# KiCad board EPS.kicad_pcb (continued)
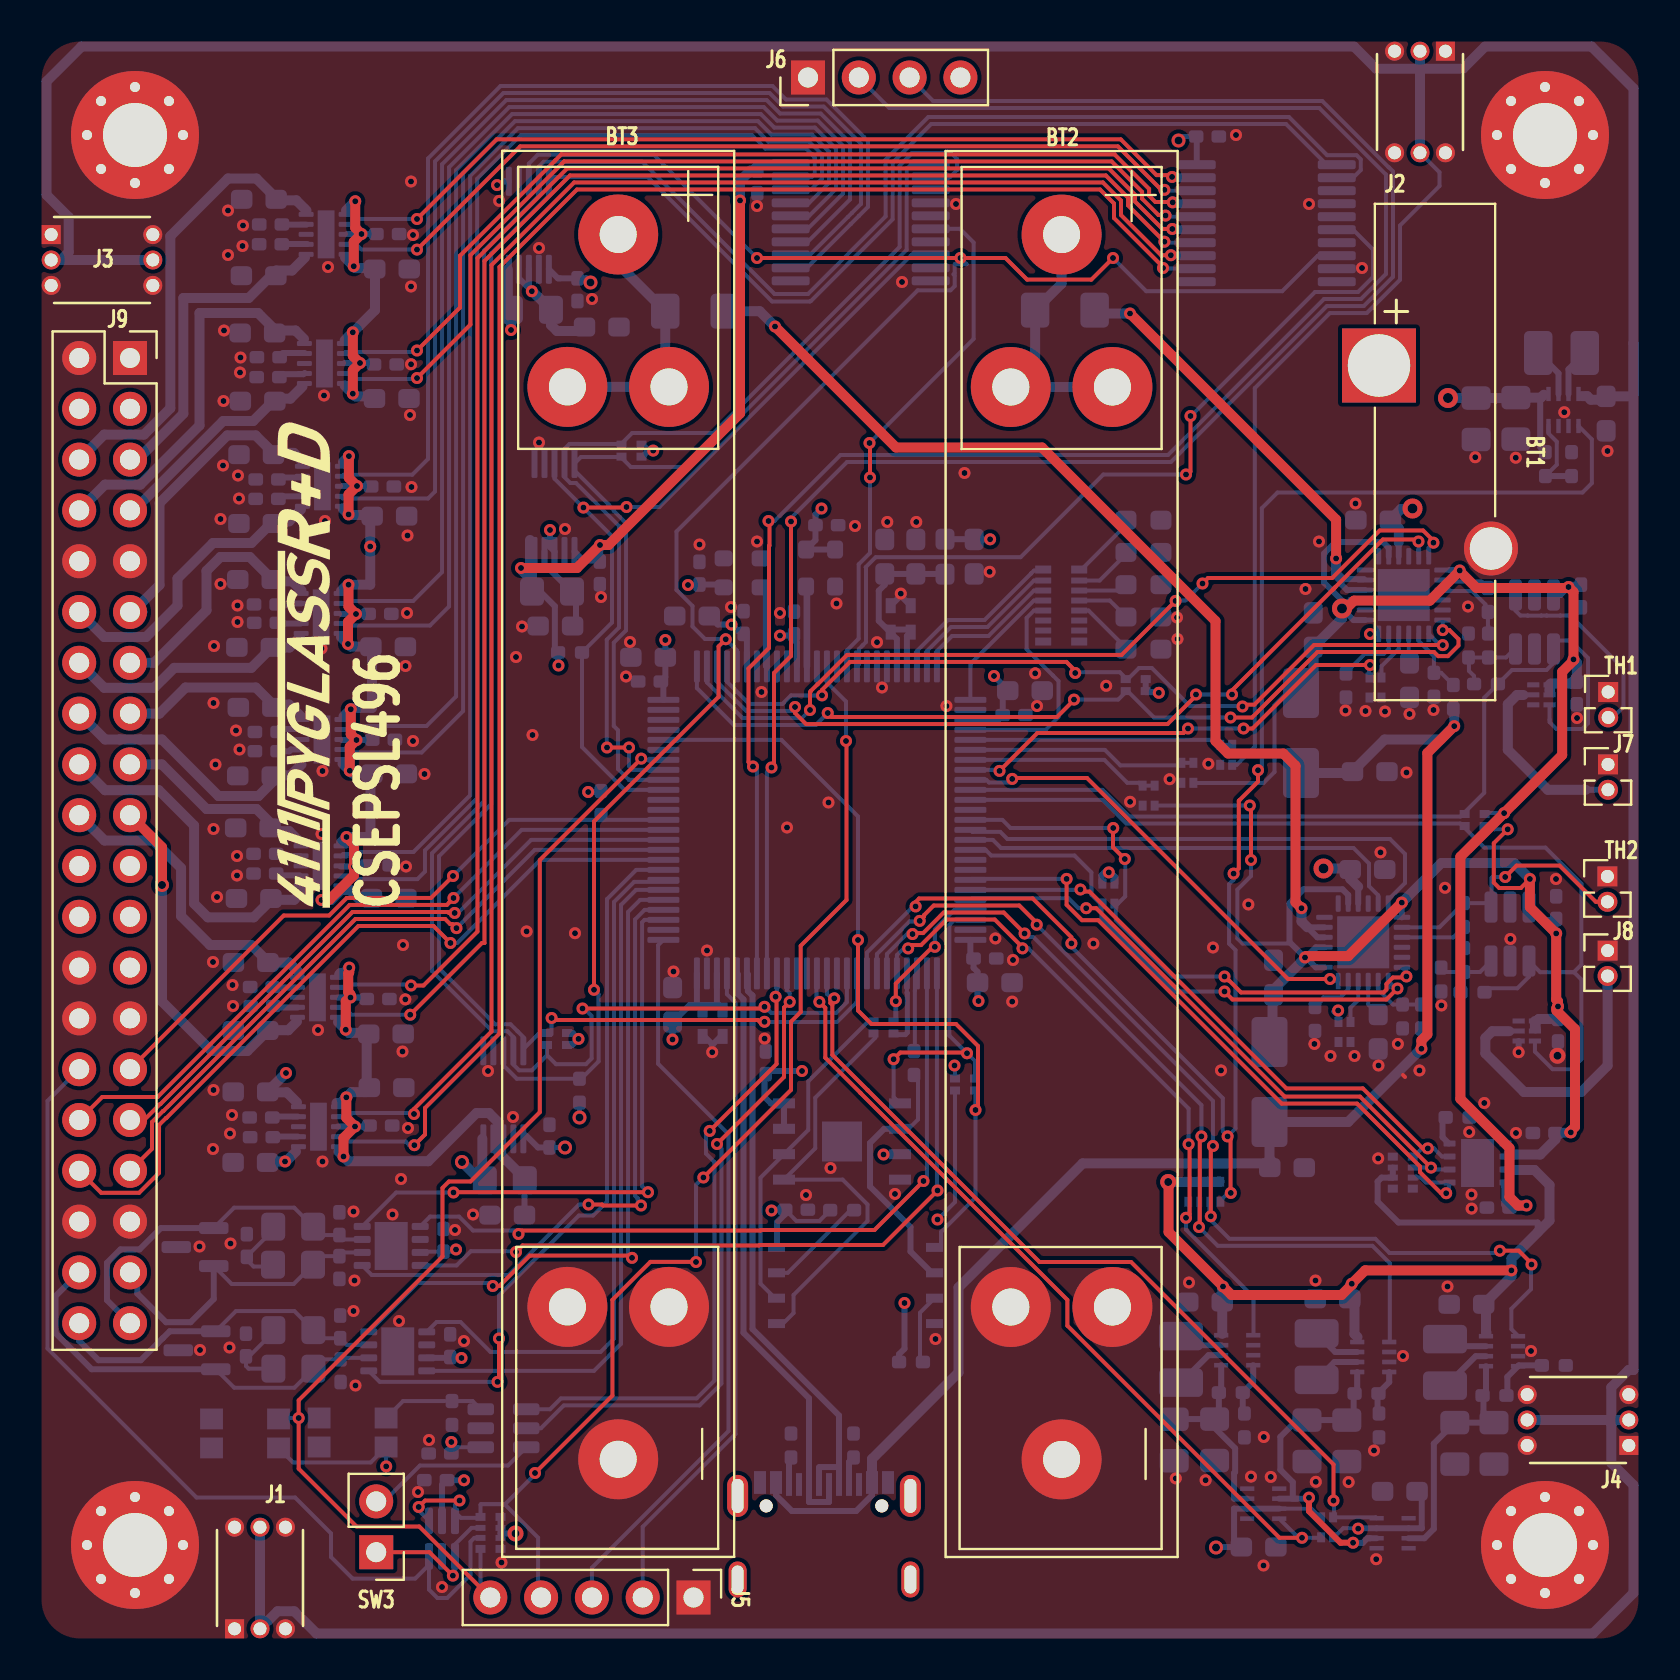
[diagram p0: board, top side]
## Routing (per net, layer and track width the routed paths; a pad name or vN(x,y) marks a point on that pad's centre or on a via; arc(x,y) is an arc through that point) (continued)
/CAN1_L: length 20.2
  Bottom w0.2: U8.6 15.11,14.11 ; R9.2 12.72,12.61 9.71,12.61 D7.2 ; C38.2 14.14,14.03
  Bottom w0.3: D7.2 2.58,13.54 0.78,15.34 0.78,17.2 J9.38
/CAN2_H: length 17.5
  Bottom w0.2: R6.1 12.71,21.62 9.71,21.62 D6.1 ; 14.08,20.25 C32.1 15.19,20.03 U7.7
  Bottom w0.3: D6.1 6.04,20.6 4.98,19.53 4.02,19.53 3.35,18.86 3.35,16.99 J9.39
/CAN2_L: length 14.8
  Bottom w0.2: R7.2 12.69,17.8 9.58,17.8 D6.2 ; C34.2 14.08,19.19 ; U7.6 15.16,19.38
  Bottom w0.3: D6.2 8.69,17.05 7.53,15.89 6.3,15.89 4.87,17.32 4.87,18.01
/COMM1_RST: length 34.5
  Top w0.2: v1(20.82,35.59) 20.61,35.8 20.5,35.8 20.26,36.05 15.77,36.05 6.17,26.45 6.15,26.45 5.6,25.9 5.6,25.54 5.6,25.54 5.6,24.56 J9.33
  Bottom w0.2: U4.85 24.73,39.5 v1(20.82,35.59)
/COMM2_RST: length 38.7
  Top w0.2: J9.34 3.06,22.36 4.96,22.36 5.95,23.35 5.95,25.4 5.95,25.4 5.95,25.75 6.3,26.1 6.32,26.1 15.92,35.7 19.68,35.7 v1(20.52,34.85)
  Bottom w0.2: v1(20.52,34.85) 20.86,34.85 25.01,39 U4.84
/EPS_EXTRN_RST: length 45.6
  Bottom w0.2: 19.45,3.74 19.45,2.52 19.87,2.1 20.36,2.1 21.52,3.26 21.52,4.91 21.72,5.1 RN8.2 ; 19.44,3.75 18.76,3.07 15.63,3.07 14.55,4.15 14.55,5.33 12.75,7.12 7.83,7.12 0.38,14.58 0.38,26.95 J9.30
/HEATER1_ENABLED: length 44.9
  Bottom w0.2: 72.95,47.86 72.21,47.11 72.21,42.36 71.03,41.17 54.46,41.17 53.28,42.36 53.27,42.36 53.12,42.5 U4.35 ; 75.64,49.51 75.64,48.81 75.32,48.5 73.6,48.5 R18.1 ; 75.68,49.72 75.93,49.97 76.53,49.97 77.4,49.1 77.4,45.84 77.11,45.55 75.82,45.55 75.48,45.89 75.48,46.02 75.48,46.02 U13.3
/HEATER2_ENABLED: length 51.1
  Bottom w0.2: U15.3 74.75,29.42 75.63,28.54 76.57,28.54 77.07,29.04 77.07,33.02 76.7,33.39 75.94,33.39 ; 75.94,33.39 76.69,33.39 77.07,33.77 77.07,37.83 75.28,39.62 72.22,39.62 71.02,40.82 54.32,40.82 53.14,42 U4.36 ; 75.94,33.39 75.01,33.39 U16.1 74.45,33.17 73.87,32.59 72.43,32.59
/I2C1_SCL: length 45.6
  Bottom w0.2: U29.5 27.05,59.15 29.04,59.15 29.54,58.65 32.47,58.65 43.33,69.51 43.33,73.56 43.58,73.81 U28.1 ; U4.92 29.44,43 28.9,43.55 28.9,45.49 28.69,45.7 28.69,49.87 29.3,50.48 29.3,55.84 28.69,56.46 28.69,56.51 28.42,56.77 28.42,56.78 26.72,58.47
/I2C1_SDA: length 50.5
  Top w0.2: v1(28.35,44.62) v1(29.45,44.62)
  Bottom w0.2: 29.12,59.87 29.61,60.35 33.68,60.35 42.98,69.65 42.98,73.73 43.61,74.35 45.55,74.35 45.85,74.05 45.85,73.5 45.5,73.15 45.49,73.16 U28.2 ; v1(28.35,44.62) 28.34,44.64 28.34,50.01 28.95,50.63 28.95,55.7 26.8,57.85 26.51,57.85 26.22,58.14 U29.4 26.22,59.55 26.47,59.8 26.51,59.8 26.51,59.8 26.94,59.8 26.94,59.8 29.1,59.8 ; v1(29.45,44.62) 29.45,44.62 29.45,43.7 29.64,43.5 U4.93
/I2C4_SCL: length 114.8
  Top w0.2: v1(25.58,31.1) 25.58,31.05 25.63,31 35.89,31 36.07,30.82 36.13,30.82 v1(36.22,30.91)
  Bottom w0.2: 24.17,30.15 23.88,30.44 23.88,30.44 23.53,30.79 22.76,30.79 19.95,33.6 19.95,39.19 22.56,41.8 22.56,42.09 22.56,69.33 25.44,72.22 U27.5 25.66,73.15 30.38,73.15 36.61,66.92 38.5,66.92 38.52,66.95 38.55,66.95 42.63,71.03 42.63,73.87 44.56,75.8 62.3,75.8 64.33,73.77 ; v1(25.58,31.1) 25.58,30.95 25.58,30.94 25.58,30.28 ; 24.17,29.55 24.91,30.29 25.54,30.29 ; U4.59 40.84,31.89 39.85,30.9 36.23,30.9 v1(36.22,30.91)
/I2C4_SDA: length 123.5
  Top w0.2: v1(36.22,31.66) 36.16,31.66 36.07,31.58 v1(27.12,31.58)
  Bottom w0.2: v1(36.22,31.66) 36.29,31.73 36.29,31.59 36.42,31.46 36.45,31.46 36.56,31.36 39.81,31.36 40.34,31.89 U4.60 ; RN10.3 25.35,29.24 ; 25.35,29.24 24.59,28.48 23.96,28.48 23.67,28.77 U26.4 ; 25.35,29.24 25.8,28.79 27.29,28.79 27.58,29.08 27.58,31.21 27.22,31.58 v1(27.12,31.58) ; 65.65,73.11 66.04,73.5 66.04,74.03 65.83,74.24 64.36,74.24 62.45,76.15 44.42,76.15 42.28,74.02 42.28,71.18 38.4,67.3 36.73,67.3 30.12,73.91 25.19,73.91 24.94,73.67 U27.4 24.94,72.22 22.21,69.48 22.21,41.94 19.6,39.33 19.6,33.45 22.61,30.44 23.38,30.44 23.67,30.15 23.67,29.54
/I2C Power Switches 3VAUX/ENABLE_0: length 51.9
  Bottom w0.2: 15.13,58.2 15.2,58.27 18.61,58.27 19.4,59.05 19.4,74.08 23.02,77.7 35.75,77.7 36.62,77.7 37.3,77.02 39.33,77.02 41.2,75.15 41.4,74.95 41.4,71.66 38.35,68.61
/I2C Power Switches 3VAUX/ENABLE_1: length 52.6
  Bottom w0.2: U28.13 38.5,69.26 41.05,71.8 41.05,74.8 39.18,76.67 37.15,76.67 36.48,77.35 23.17,77.35 19.75,73.93 19.75,57.43 19.4,57.08 15.12,57.08
/I2C Power Switches 3VAUX/ENABLE_2: length 54.5
  Bottom w0.2: 15.08,51.83 15.42,51.83 15.5,51.9 15.5,51.92 15.53,51.95 18.66,51.95 20.1,53.4 20.1,73.78 23.32,77 36.04,77 36.33,77 37.01,76.32 39.04,76.32 40.5,74.85 40.5,72.03 38.39,69.91
/I2C Power Switches 3VAUX/ENABLE_3: length 54.4
  Bottom w0.2: 15.06,50.8 15.38,50.8 15.45,50.72 19.5,50.72 20.45,51.68 20.45,73.64 23.46,76.65 36.19,76.65 36.86,75.97 38.89,75.97 40.15,74.71 40.15,72.33 38.39,70.56
/I2C Power Switches 3VAUX/ENABLE_4: length 58.4
  Bottom w0.2: U28.16 38.46,71.21 39.8,72.55 39.8,74.56 38.74,75.62 36.72,75.62 36.04,76.3 23.61,76.3 20.8,73.49 20.8,47.18 19.33,45.7 15.61,45.7 15.41,45.5 15.09,45.5
/I2C Power Switches 3VAUX/ENABLE_5: length 57.8
  Bottom w0.2: U28.17 38.46,71.86 39.45,72.85 39.45,74.42 38.6,75.27 36.57,75.27 35.9,75.94 23.75,75.94 21.16,73.35 21.16,46.45 19.08,44.38 15.7,44.38 15.58,44.5 15.09,44.5
/I2C Power Switches 3VAUX/ENABLE_6: length 60.8
  Bottom w0.2: 15.03,39.17 15.16,39.3 15.48,39.3 15.58,39.4 18.67,39.4 21.51,42.23 21.51,73.2 23.9,75.59 35.75,75.59 36.43,74.92 38.45,74.92 39.1,74.27 39.1,73.07 38.53,72.51 U28.18
/I2C Power Switches 3VAUX/ENABLE_7: length 60.5
  Bottom w0.2: 15.03,38.17 15.41,38.17 15.54,38.04 18.87,38.04 19.25,38.42 19.25,39.48 21.86,42.09 21.86,73.06 24.04,75.24 35.61,75.24 36.28,74.57 38.31,74.57 38.72,74.15 38.72,74.09 38.73,74.08 38.73,73.29 38.6,73.16 U28.19
/I2C Power Switches 3VCORE/ENABLE0: length 88.2
  Top w0.2: v1(56.15,68.6) 56.15,68.65 53.7,71.1 53.7,71.83 53,72.53 26.85,72.53 22.97,68.65 22.97,30.33 19.25,26.6 19.25,25.28 v1(18.72,24.74)
  Bottom w0.2: v1(18.72,24.74) 18.46,24.74 18.28,24.92 15.48,24.92 15.24,25.17 U24.4 ; v1(56.15,68.6) 56.17,68.58 57.83,68.58
/I2C Power Switches 3VCORE/ENABLE1: length 86.8
  Top w0.2: v1(56.54,69.24) 56.06,69.24 54.05,71.25 54.05,71.97 53.14,72.88 26.71,72.88 22.58,68.75 22.58,30.42 18.7,26.55 v1(18.7,26.3)
  Bottom w0.2: U24.2 15.44,26.17 15.62,26.35 18.65,26.35 v1(18.7,26.3) ; U25.13 56.61,69.22 56.59,69.24 v1(56.54,69.24)
/I2C Power Switches 3VCORE/ENABLE2: length 82.1
  Top w0.2: v1(18.51,31.26) 22.1,34.85 22.22,34.85 22.22,68.95 26.5,73.23 53.29,73.23 54.4,72.12 54.4,71.73 v1(56.22,69.92)
  Bottom w0.2: 14.88,31.62 15.2,31.62 15.51,31.32 15.51,31.26 v1(18.51,31.26) ; 57.84,69.86 56.27,69.86 v1(56.22,69.92)
/I2C Power Switches 3VCORE/ENABLE3: length 81.1
  Top w0.2: v1(18.55,32.72) 19.17,32.72 21.87,35.42 21.87,69.09 26.36,73.58 53.44,73.58 54.75,72.26 54.75,71.92 56.12,70.55 v1(56.62,70.55)
  Bottom w0.2: 14.88,32.62 15.2,32.62 15.35,32.78 18.5,32.78 v1(18.55,32.72) ; v1(56.62,70.55) 57.8,70.55
/I2C Power Switches 3VCORE/ENABLE4: length 50.5
  Top w0.2: v1(56.28,71.22) 56.25,71.25 55.92,71.25 55.1,72.07 55.1,72.41 53.58,73.93 26.21,73.93 21.52,69.24 21.52,65.77 v1(18.85,63.1)
  Bottom w0.2: v1(56.28,71.22) 56.33,71.17 U25.16 ; U2.4 15.6,63.33 ; 15.68,63.23 15.85,63.05 18.8,63.05 v1(18.85,63.1)
/I2C Power Switches 3VCORE/ENABLE5: length 49.4
  Top w0.2: v1(18.85,64.47) 21,66.63 21,69.22 26.07,74.28 26.07,74.28 53.73,74.28 55.45,72.55 55.45,72.21 55.77,71.9 56.62,71.9 v1(56.63,71.88)
  Bottom w0.2: v1(18.85,64.47) 18.78,64.4 15.28,64.4 15.23,64.35 ; v1(56.63,71.88) 57.77,71.88
/I2C Power Switches 3VCORE/ENABLE6: length 45.8
  Top w0.2: v1(56.22,72.51) 56.1,72.62 55.95,72.62 53.89,74.68 24.01,74.68 v1(18.85,69.52)
  Bottom w0.2: 15.36,69.8 15.8,69.8 16.08,69.53 18.84,69.53 v1(18.85,69.52) ; U25.18 56.38,72.47 56.22,72.62 v1(56.22,72.51)
/I2C Power Switches 3VCORE/ENABLE7: length 45
  Top w0.2: v1(18.85,71.05) 22.83,75.03 54.04,75.03 55.83,73.24 56.51,73.24 v1(56.6,73.15)
  Bottom w0.2: v1(18.85,71.05) 15.93,71.05 15.68,70.8 15.36,70.8 ; U25.19 56.64,73.11 v1(56.6,73.15)
/IDEAL_DO0: length 30.5
  Top w0.2: v1(69.55,23.62) 66,27.17 62.23,27.17 52.81,36.59 v1(52.31,36.59)
  Bottom w0.2: v1(69.55,23.62) RN16.2 ; v1(52.31,36.59) 51.92,36.59 51.42,37.09 46.61,37.09 U4.46 ; 70.44,23.53 69.65,23.53
  Bottom w0.3: 69.65,23.53 v1(69.55,23.62)
/IDEAL_DO1: length 30.4
  Top w0.2: v1(69.39,24.58) 69.14,24.58 66.14,27.58 62.32,27.58 52.48,37.42 52.11,37.42 52.02,37.51 v1(52.02,37.53)
  Bottom w0.2: 68.64,24.12 69.1,24.58 v1(69.39,24.58) 69.71,24.58 69.71,24.56 70.1,24.17 70.44,24.17 ; U4.45 51.89,37.5 51.92,37.53 v1(52.02,37.53)
/INT_PS_3V3: length 43.5
  Top w0.2: v1(27.17,56.62) 29.3,56.62
  Bottom w0.2: v1(29.33,56.65) 30.97,56.65 43.58,69.26 U28.8 ; U4.91 29.24,42.5 27.1,44.65 R34.2 28.6,50.88 28.6,55.19 v1(27.17,56.62) 25.72,58.07 U29.3
/INT_PS_CORE_VBUS: length 105.7
  Top w0.2: v1(27.7,32.51) 27.7,40.93 33.93,47.16 33.93,49.68 v1(34.29,50.04) ; v1(35.85,69.1) v1(46.02,69.1) 48.28,69.1 49.36,68.02 52.57,68.02 v1(53.65,69.1)
  Bottom w0.2: U25.8 63.89,69.22 62.11,67.44 55.31,67.44 v1(53.65,69.1) ; v1(46.02,69.1) 46.33,68.79 45.73,68.79 45.73,68.34 45.68,68.28 45.73,68.23 45.73,67.69 45.53,67.48 43.88,67.48 31.83,55.42 31.83,52.5 32.62,51.7 32.62,50.67 33.25,50.05 34.28,50.05 v1(34.29,50.04) 34.84,49.48 U4.5 ; v1(27.7,32.51) 27.93,32.28 27.93,28.93 27.06,28.06 23.84,28.06 23.17,28.74 U26.3 ; U27.3 24.44,73.82 24.89,74.26 30.69,74.26 v1(35.85,69.1)
/NRST: length 64.6
  Top w0.2: v1(20.97,6.97) 19.26,6.97 v1(18.93,6.65) ; v1(32.8,18.9) 32.79,18.91 30.52,18.91 28.62,17.01 28.62,12.22 v1(24.75,8.35) ; v1(33.17,23.12) 37.55,27.5 37.55,30.92 38.03,31.4 38.03,34.71 40.33,37 40.33,44.92 v1(40.3,44.95)
  Bottom w0.2: 24.91,2.28 24.91,5.12 23.23,6.79 22.05,6.79 ; 22.05,6.79 22.03,6.77 22.03,6.1 21.04,6.1 20.75,6.4 ; 22.05,6.79 23.25,6.79 24.75,8.29 v1(24.75,8.35) ; v1(40.3,44.95) 40.3,46.93 39.34,47.88 U4.14 ; v1(18.93,6.65) 18.93,6.47 U32.4 ; v1(20.97,6.97) 20.75,6.75 U32.6 ; v1(33.17,23.12) 32.8,22.75 v1(32.8,18.9)
/PMIC/CAN1_RX: length 34.6
  Bottom w0.2: U4.81 29.8,37.5 29.05,36.75 29.05,14.81 27.7,13.46 U8.4
/PMIC/CAN1_SHDN: length 36.9
  Top w0.2: v1(22.88,12.91) 22.88,12.97 22.95,13.05 v1(22.95,15.08)
  Bottom w0.2: U8.5 16.99,12.91 v1(22.88,12.91) ; v1(22.95,15.08) 22.95,17.23 26.94,21.22 27.65,21.22 28.35,21.92 28.35,37.05 29.81,38.5 U4.83
/PMIC/CAN1_STBY: length 34.4
  Top w0.2: v1(29.6,19.11) 29.52,19.11 29.41,19.22 24.49,19.22 22.97,17.7 v1(22.64,17.7)
  Bottom w0.2: U8.8 18.88,17.85 22.49,17.85 v1(22.64,17.7) ; U4.80 30,37 29.4,36.4 29.4,19.22 29.52,19.11 v1(29.6,19.11)
/PMIC/CAN1_TX: length 35.9
  Bottom w0.2: 31.87,37.91 29.71,37.91 28.7,36.9 28.7,15.08 28.03,14.4 22.52,14.4 21.02,15.9 19.83,15.9 U8.1
/PMIC/CAN2_RX: length 38.3
  Top w0.2: v1(23.8,19.4) 24.13,19.73 35.95,19.73 35.97,19.75 42.15,19.75 v1(44.88,22.47)
  Bottom w0.2: U7.4 20.83,18.73 21.54,19.44 23.76,19.44 v1(23.8,19.4) ; U4.51 44.84,22.77 44.88,22.74 v1(44.88,22.47)
/PMIC/CAN2_SHDN: length 31.7
  Top w0.2: v1(27.42,21.78) 28.1,21.78 28.15,21.72 v1(30.05,21.72)
  Bottom w0.2: v1(30.05,21.72) 29.89,21.88 29.89,22.08 ; U4.79 30.23,36.5 29.75,36.03 29.75,22.21 29.89,22.08 ; 29.89,22.08 29.89,22 ; U7.5 16.59,18.25 23.43,18.25 26.95,21.78 v1(27.42,21.78)
/PMIC/CAN2_STBY: length 29.7
  Top w0.2: v1(20.67,22.38) 20.67,22.38 20.69,22.39 v1(30.4,22.39)
  Bottom w0.2: v1(30.4,22.39) 30.1,22.68 30.1,35.88 30.23,36 U4.78 ; v1(20.67,22.38) 17.81,22.38 U7.8
/PMIC/CAN2_TX: length 37.3
  Top w0.2: v1(44.17,22.95) 41.72,20.5 36.05,20.5 36.03,20.47 24.1,20.47 v1(23.92,20.3)
  Bottom w0.2: U4.52 44.34,23.12 v1(44.17,22.95) ; U7.1 19.5,21.17 20.95,21.17 21.65,20.47 23.75,20.47 v1(23.92,20.3)
/PMIC/HSE_CLK: length 4
  Bottom w0.333: 38.34,52.64 U4.12
/PMIC/LED_1: length 8.7
  Bottom w0.2: 50.09,53.47 49.7,53.47 49.55,53.33 49.55,53.33 49.55,53.32 47.23,51 45.4,51 43.84,49.45 U4.23
/PMIC/LED_2: length 8
  Bottom w0.2: 50.09,52.97 49.7,52.97 47.37,50.65 45.55,50.65 44.34,49.44 U4.24
/PMIC/LED_3: length 7.3
  Bottom w0.2: U4.25 44.84,49.44 45.6,50.2 47.42,50.2 49.7,52.47 50.09,52.47
/PMIC/LED_4: length 6.7
  Bottom w0.2: U4.26 46.52,48.8 49.69,51.97 50.09,51.97
/PMIC/LED_5: length 11.2
  Bottom w0.2: U4.29 50.28,45.5 50.93,46.15 50.93,47.95 50.65,48.23 50.64,48.23 49.33,49.54 49.33,51.1 49.7,51.47 50.09,51.47
/PMIC/RCC_OSC32_IN: length 4.1
  Bottom w0.333: X1.3 36.31,52.35 36.31,48.71 U4.8
/PMIC/SPI2_FLASH_CS: length 39.5
  Top w0.2: v1(46.78,26.5) 46.9,26.62 46.9,29.7 45.8,30.8 41.58,30.8 40.9,31.47 v1(40.9,35)
  Bottom w0.2: U4.96 37.07,45 40.9,41.18 v1(40.9,35) ; 46.78,27.45 v1(46.78,26.5) 46.78,22.12 45.05,20.4 45.05,19.63
/PMIC/SPI2_MISO: length 3.9
  Bottom w0.2: 43.74,29.49 43.74,32.46 43.75,32.47 43.75,33.23 U4.53
/PMIC/SPI2_MOSI: length 3.6
  Bottom w0.2: 43.34,32.36 U4.54
  Bottom w0.25: 43.34,32.36 43.37,32.34 43.37,30.37 43.27,30.27 42.77,30.27
/PMIC/SPI2_MRAM_CS: length 15.5
  Top w0.2: v1(42.68,29.04) 43.02,29.38 46.31,29.38 v1(46.35,29.34)
  Bottom w0.2: RN13.3 46.75,28.95 46.36,29.34 v1(46.35,29.34) 45.47,30.22 45.47,35.75 45.72,36 U4.48 ; U5.1 42.68,27.15 v1(42.68,29.04)
/PMIC/SPI2_SCK: length 7.6
  Top w0.2: v1(42.79,31.94) 42.79,32.82 44.63,34.66 v1(44.74,34.66)
  Bottom w0.2: U4.47 45.72,36.5 44.74,35.53 v1(44.74,34.66)
  Bottom w0.25: v1(42.79,31.94) 42.79,30.99
/PMIC/SPI_MISO: length 12.3
  Bottom w0.2: 43.43,25.56 43.9,26.03 43.9,28.05
  Bottom w0.3: 44.59,18.36 43.53,19.42 43.53,20.65 41.5,22.67 41.5,24.85 42.21,25.56 U5.2
/PMIC/SPI_MOSI: length 21.5
  Bottom w0.2: 41.77,30.27 41.77,30.11 38.76,27.11 38.76,24.58 U5.5 40.13,23.02 41.38,21.78 41.38,20.95 37.68,17.25 37.68,16.35 37.15,15.82
/PMIC/SPI_SCK: length 16.7
  Bottom w0.2: 36.75,17.09 36.03,17.81 36.03,23.12 U5.6 38.41,25.5 38.41,27.93 41.46,30.98 41.75,30.98
/PMIC/SWD_SWCLK: length 37.3
  Bottom w0.2: J5.3 27.59,3.62 34.42,10.44 34.42,25.3 30.9,28.81 30.9,34.74 U4.76
/PMIC/SWD_SWDIO: length 33.3
  Bottom w0.2: U4.72 34.34,32.29 34.77,31.86 34.77,10.3 30.14,5.66 30.14,2.12
/PMIC/USART1_RX: length 92.6
  Top w0.2: v1(35.65,43.67) 35.42,43.9 35.42,48.58 36.45,49.6 36.45,54.7 36.47,54.72 36.47,55.9 v1(36.42,55.95)
  Bottom w0.2: 67.3,73.28 67.3,68.3 66.05,67.05 64.2,67.05 56.4,59.25 40.03,59.25 36.72,55.95 v1(36.42,55.95) ; 67.28,73.28 63.97,76.6 44.51,76.6 44.51,76.6 42.47,76.6 J6.2 ; v1(35.65,43.67) 35.84,43.48 U4.69
/PMIC/USART1_TX: length 89.7
  Top w0.2: v1(37.55,55.92) 37.55,49.2 36.7,48.35 36.7,43.75 v1(36.58,43.62)
  Bottom w0.2: U4.68 36.34,43.39 v1(36.58,43.62) ; J6.3 44.66,76.95 64.11,76.95 67.43,73.63 67.44,73.63 67.65,73.43 67.65,68.16 66.19,66.7 64.34,66.7 56.55,58.9 40.35,58.9 37.55,56.1 v1(37.55,55.92)
/PMIC/VDAA: length 11
  Bottom w0.3: CN2.2 42.67,50.53 43.41,50.53 CN2.1 43.34,50.2 U4.22 ; U4.21 42.84,50.05 41.94,50.96 41.94,52.46 42.24,52.76 C26.2 C20.1 45.24,53.3
/Power Selector/Boost Buck Regulator 3V3/LX1: length 1.6
  Bottom w0.3: U6.3 57.5,14.74
/Power Selector/Boost Buck Regulator 3V3/LX2: length 2.6
  Bottom w0.3: L2.1 58.42,14.24 U6.2
/Power Selector/Boost Buck Regulator 3V3/R+: length 9
  Bottom w0.3: C29.1 56.73,11.05 ; U6.1 59.06,12.49 ; R36.1 58.94,11.26 ; U30.3 59.7,7.07 59.7,8.35 59.76,8.4 59.76,9.58 58.73,10.61
/Power Selector/Boost Buck Regulator 3V3/R-: length 2.5
  Bottom w0.3: U6.8 60.66,12.89 R36.2 60.14,11.41
/Power Selector/Boost Buck Regulator 3V4/LX1: length 1.6
  Bottom w0.3: U9.3 70.66,14.69
/Power Selector/Boost Buck Regulator 3V4/LX2: length 2.6
  Bottom w0.3: U9.2 71.78,14.19 70.31,12.72
/Power Selector/Boost Buck Regulator 3V4/R+: length 12
  Bottom w0.3: U9.1 72.3,12.35 ; 72.17,12.18 72.17,11.4 C40.1 C41.1 69.69,9.82 69.69,5.55 69.22,5.09 U31.3
/Power Selector/Boost Buck Regulator 3V4/R-: length 2.8
  Bottom w0.3: 73.37,12.27 73.37,13.16 U9.8 73.94,13.73 R10.1
/Power Selector/Boost Buck Regulator 3V5/LX1: length 2.4
  Bottom w0.3: L3.2 64.76,14.4 U10.3
/Power Selector/Boost Buck Regulator 3V5/LX2: length 2.4
  Bottom w0.3: U10.2 64.72,13.9 L3.1
/Power Selector/Boost Buck Regulator 3V5/R+: length 15.8
  Top w0.3: v1(65.65,4.86) 65.03,4.86 63.45,6.44 v1(63.45,7.12)
  Bottom w0.2: v1(63.45,7.12) 63.4,7.07 63.26,7.07 ; U30.6 62.43,7.07 ; 65.86,4.85 65.85,4.86 v1(65.65,4.86)
  Bottom w0.3: U31.6 66.49,5.09 66.48,5.09 66.37,5.09 66.13,4.85 65.86,4.85 ; U10.1 65.86,12.49 ; 62.64,7.15 62.64,7.89 62.02,8.51 62.02,10.16 62.86,11 ; 63.26,7.07 U30.6 ; 65.68,12.28 65.68,11.34 ; 62.6,7.07 62.82,7.07 ; C43.1 C44.1
  Bottom w0.5: 62.86,11 C44.1
/Power Selector/Boost Buck Regulator 3V5/R-: length 2.1
  Bottom w0.3: 66.88,12.28 66.88,11.4 ; 66.92,12.36 67.46,12.89 U10.8
/POWER_3V3_RST: length 26.3
  Top w0.2: v1(41.47,59.85) 41.5,59.83 v1(41.5,58.12)
  Bottom w0.2: U4.16 40.34,49.48 40.93,50.07 40.93,53.79 41.5,54.35 v1(41.5,58.12) ; v1(41.47,59.85) 46.68,65.06 46.68,69.87 45.99,70.56 U28.6
/POWER_CORE_VBUS_RST: length 40.9
  Top w0.2: v1(57.53,61.2) 57.53,58.42 57.38,58.28 v1(57.3,58.28)
  Bottom w0.2: v1(57.3,58.28) 53.17,58.28 49.03,54.14 41.78,54.14 41.28,53.64 41.3,53.62 41.3,50.12 41.3,50.12 41.3,49.9 41.13,49.73 40.94,49.54 40.94,48.78 U4.17 ; 65.65,70.52 66.65,69.52 66.65,68.15 65.9,67.4 63.75,67.4 57.55,61.2 v1(57.53,61.2)
/PWR3AUX_EN: length 43.2
  Top w0.2: v1(57.95,20.65) 57.99,20.69 57.99,25.09 58.07,25.17 v1(58.07,25.18) ; v1(43.63,35.3) 43.67,35.35 44.16,35.35 45.18,36.37 48.19,36.37 49.23,35.33
  Bottom w0.2: v1(43.63,35.3) 43.58,35.35 43.4,35.35 42.34,34.3 U4.56 ; v1(49.23,35.32) 49.4,35.15 49.67,35.15 58.07,26.74 v1(58.07,25.18) ; U10.5 67.49,14.93 67.49,18.84 66.62,19.71 58.89,19.71 v1(57.95,20.65) 57.95,20.79 57.97,20.81 RN5.3
/PWR3CORE_EN: length 33.9
  Top w0.2: v1(49.12,34.58) 49.12,34.64 47.74,36.02 45.33,36.02 44.05,34.75 43.57,34.75 v1(43.41,34.58) ; v1(57.3,21.11) 57.48,21.29 57.48,24.74 v1(57.43,24.79)
  Bottom w0.2: 57.47,21.92 57.47,21.28 v1(57.3,21.11) 57.3,20.52 60.67,17.14 60.67,15.25 ; v1(43.41,34.58) 43.39,34.6 43.2,34.6 42.84,34.25 U4.55 ; v1(57.43,24.79) 57.43,26.57 49.42,34.58 v1(49.12,34.58)
/PWR3MAIN_EN: length 51
  Top w0.2: v1(49.84,35.76) 49.72,35.88 49.72,35.97 48.97,36.72 44.69,36.72 44.2,36.24 44.2,36.17 v1(43.98,35.96) ; v1(58.54,21.19) 58.54,24.7 v1(58.65,24.7) ; v1(72.99,19.47) 73.93,19.47 74.57,18.83 v1(74.57,18.78)
  Bottom w0.2: v1(74.57,18.78) 74.62,18.78 74.55,18.7 74.55,17.54 73.57,16.56 73.57,15.54 73.91,15.2 ; U4.57 41.84,34.3 43.48,35.93 43.96,35.93 v1(43.98,35.96) ; v1(49.84,35.76) 58.65,26.95 v1(58.65,24.7) ; RN5.2 58.47,21.26 v1(58.54,21.19) 58.54,20.99 59.47,20.06 66.77,20.06 67.48,19.35 72.88,19.35 v1(72.99,19.47)
/RST: length 7.2
  Top w0.2: v1(20.64,3.22) 19.47,4.39 SW3.1
  Bottom w0.2: U32.1 20.75,3.32 v1(20.64,3.22) ; RN8.3 21.58,5.6 20.75,4.78 20.75,4.49
/SCI_EXTRN_RST: length 32.5
  Top w0.2: v1(20.73,36.35) 20.45,36.35 20.4,36.4 15.63,36.4 6.03,26.8 6.01,26.8 5.25,26.04 5.25,26 J9.31
  Bottom w0.2: U4.86 24.56,40 20.9,36.35 v1(20.73,36.35)
/SOLAR_EN: length 82.7
  Top w0.2: v1(60.9,43.49) 60.9,42.92 59.97,41.99 59.97,41.98 59.94,41.95 59.94,38.58 v1(59.68,38.32) ; v1(59.38,25.18) 59.53,25.03 59.53,22.36 v1(59.54,22.35) ; v1(43.78,36.68) 43.78,36.9 43.96,37.08 49.63,37.08 51.57,35.14 v1(51.57,34.83)
  Bottom w0.2: v1(43.78,36.68) 43.65,36.68 41.34,34.37 U4.58 ; v1(51.57,34.83) 51.57,34.66 59.14,27.09 59.14,25.42 v1(59.38,25.18) 59.78,25.58 59.78,34.49 59.45,34.82 59.45,37.79 59.68,38.01 v1(59.68,38.32) ; v1(59.54,22.35) 59.4,22.35 58.97,21.92 ; v1(60.9,43.49) 61.09,43.68 61.09,45.58 61.09,45.58 61.09,56.59 61.88,57.38 77.12,57.38 77.59,57.84 77.59,60.03 U33.5
/STATUS_3V3: length 42.7
  Top w0.2: v1(64.67,6.97) 64.67,8.78 54.55,18.9 49.97,18.9 41.4,27.48 41.39,27.48 41.38,27.49 41.38,27.5 39.62,29.26 39.62,31.75 39.52,31.85 39.52,32.13
  Bottom w0.2: v1(64.67,6.97) 64.67,6.84 64.7,6.81 64.7,6.13 66.78,6.13 U31.8 ; v1(39.71,32.08) 39.57,32.08 39.34,32.31 U4.62
/STATUS_CORE: length 41.4
  Top w0.2: v1(38.97,31.91) 38.97,31.9 39.27,31.61 39.27,29.11 41.03,27.35 41.03,27.35 51.37,17 51.37,15.72 61.98,5.11 v1(63.1,5.11)
  Bottom w0.2: 63.98,5.11 v1(63.1,5.11) 62.92,5.11 U30.8 ; 38.82,33.31 38.82,31.99 38.9,31.91 v1(38.97,31.91)
/USB_DN: length 29.3
  Bottom w0.3: U4.70 35.39,33.28 35.39,32.45 35.61,32.23 35.62,32.23 35.62,15.55 39.95,11.22 39.95,8.65 ; 39.95,8.65 39.95,8.65 38.97,8.65 38.95,8.62 J10.A7 ; 39.95,8.65 J10.B7
/USB_DP: length 29.8
  Bottom w0.3: U4.71 34.89,33.28 34.89,32.31 35.17,32.03 35.17,15.36 38.45,12.09 J10.B6 38.45,6.9 39.45,6.9 J10.A6
/VEXT: length 74.9
  Top w0.5: v1(69.07,29.56) 69.07,29.98 69.37,30.28 69.37,44.35 v1(70.71,45.69)
  Bottom w0.3: v1(69.07,29.56) 69.07,30.41 ; J10.A4_B9 41.6,7.24 40.81,6.45 37.59,6.45 36.8,7.24 J10.B4_A9
  Bottom w0.5: v1(69.07,29.56) 65.41,25.9 D9.2 61.47,24.06 61.7,23.83 52.13,23.83 45.92,17.62 45.92,13.38 41.6,9.05 J10.A4_B9 ; 70.71,46.51 v1(70.71,45.69) 70.04,45.03 67.23,45.03 65.56,43.35 D8.2
/VOUT1: length 79
  Top w0.5: v1(74.32,21.72) 73.9,21.72 73.47,22.15 73.47,24.6 71.02,27.06 71.02,39.16 v1(73.21,41.34) 76.11,44.25 76.11,48.41 76.68,48.97 v1(76.68,49.03) 76.68,52.4 v1(76.43,52.65) 76.38,52.6 71.82,52.6 70.99,53.44 v1(70.99,53.47) 70.99,53.46 69.49,51.97 65.7,51.97 65.31,51.58 v3(65.1,51.58)
  Bottom w0.2: 63.04,48.05 61.72,46.73 61.72,43.4 61.17,42.85 57.73,42.85 ; 72.23,41.35 73.2,41.35 v1(73.21,41.34)
  Bottom w0.3: 75.68,52.25 76.03,52.25 v1(76.43,52.65) 76.54,52.77 C55.1 ; v1(70.99,53.47) 70.74,53.47 70.72,53.5 70.48,53.5 ; v3(65.1,51.58) 65.52,52 U11.3 ; v3(65.1,51.58) 65.1,51.97 64.2,52.87 64.2,54.32 64.78,54.9 67.15,54.9 67.44,54.61 U11.8 ; v3(65.1,51.58) 65.68,51 U11.1
  Bottom w0.5: v3(65.1,51.58) 65.1,51.07 C47.1 ; 75.5,47.45 75.48,47.47 U13.1 75.54,47.82 76.55,47.82 76.65,47.92 C54.1 76.84,48.86 v1(76.68,49.03) ; 73.32,22.7 73.31,22.69 73.31,21.78 C58.2 73.58,21.72 v1(74.32,21.72) ; 63.68,48.1 63.68,49.76
/VOUT2: length 72.6
  Top w0.2: v1(60.49,41.72) 60.55,41.67 v1(60.55,39) ; v1(74.5,38.05) 74.04,37.6 72.96,37.6 72.69,37.87 72.69,39.84 v1(73.38,40.54)
  Top w0.5: v1(76.54,25.38) 76.47,25.38 76.75,25.66 76.75,30.54 75.82,31.47 75.82,31.6 v1(75.9,31.68) 75.9,31.93 75.81,32.02 v1(75.81,35.33) 74.5,36.64 v1(74.5,38.05) ; v1(68.09,36.87) 65.41,34.2 63.32,34.2 v1(63.25,34.12)
  Bottom w0.2: v1(73.38,40.54) 72.71,40.54 72.71,40.65 72.23,40.65 ; U16.6 75.05,36.05 C57.1 v1(75.81,35.33) ; v1(63.25,34.12) 62.55,34.83 60.12,34.83 59.87,35.08 59.87,37.52 60.55,38.2 v1(60.55,39) ; v1(60.49,41.72) 55.78,41.72
  Bottom w0.3: v1(68.09,36.87) 68.09,36.14 U12.13 ; U12.8 65.41,37.25 65.12,37.54 63.17,37.54 62.47,36.84 62.47,34.9 v1(63.25,34.12) ; U12.1 63.79,33.64 63.3,34.12 ; v1(74.5,38.05) 74.5,36.69 ; 63.28,34.12 63.79,34.64 U12.3
  Bottom w0.5: v1(75.9,31.68) C56.1 75.46,31.06 75.45,31.05 74.94,31.05 74.78,30.89 74.78,30.59 74.75,30.62 U15.1 ; 75.76,25.37 76.53,25.37 v1(76.54,25.38) ; 73.41,24.28 75.01,24.28 75.78,25.04 C59.2 ; v1(68.09,36.87) 70.07,38.85 73.7,38.85 v1(74.5,38.05) ; 63.25,34.09 61.67,32.52 ; 61.83,32.11 61.62,31.91 61.62,31.03 61.83,30.83
/VSOLAR_5V: length 40.8
  In2.Cu w0.5: v3(70.4,62.1) 70.4,58.33 68.65,56.58 v3(68.62,56.58) 68.62,56.45 68.22,56.05 68.22,55.53 68.22,49.48 65.92,47.18 64.98,47.18 64.17,46.37 v3(64.17,38.58)
  Bottom w0.3: 67.94,54.88 U11.9 ; 65.91,37.67 U12.9 ; R1.1 75.01,59.65 75.01,62.08 75.04,62.12
  Bottom w0.5: C52.1 65.51,38.06 65.91,37.67 ; 75.19,62.26 75.04,62.12 C109.1 ; 67.52,56.02 68.05,56.55 68.6,56.55 v3(68.62,56.58) ; 67.94,54.88 67.94,55.58 C48.1 ; v3(64.17,38.58) 65.46,38.58 ; v3(70.4,62.1) 71.05,62.1 71.05,62.1 C110.1 73.77,62.1
/VSOLAR_RAW: length 302.2
  Bottom w0.2: 59.66,43.76 59.83,43.76 60.74,44.67 60.74,45.44 60.74,45.44 60.74,62.59 64.49,66.35 66.34,66.35 68,68.01 68,70.73 69.97,72.7 69.97,73.39 J2.4
  Bottom w0.5: 79.67,64.85 79.67,13.5 79.43,13.5 78.56,12.63 78.56,10.8 ; 79.67,64.85 79.67,62.28 79.58,62.18 C111.1 ; 79.67,64.85 79.67,77.58 77.58,79.67 72.26,79.67 71.15,78.56 69.01,78.56 69,78.58 ; 78.56,10.8 78.77,11 J4.3 J4.4 ; 78.56,10.8 78.56,8.85 79.67,7.74 79.67,2.35 77.65,0.33 13.82,0.33 12.71,1.44 11.88,1.44 J1.3 J1.4 ; J2.4 J2.3 69,78.58 ; 78.14,62.01 77.54,62.01 77.36,62.19 77.1,62.19 ; J3.4 J3.3 1.04,69 1.44,69.39 1.44,71.15 0.33,72.26 0.33,77.93 2.07,79.67 65.7,79.67 66.81,78.56 68.99,78.56 69,78.58
/WATCHDOG_DONE: length 32
  Top w0.2: v1(33.48,25.46) 36.83,28.8 36.83,32.12 v1(36.78,32.16)
  Bottom w0.2: U3.4 25.5,11.54 26.04,12.08 32.83,12.08 33.72,12.97 33.72,23.9 33.3,24.32 33.3,25.27 v1(33.48,25.46) ; v1(36.78,32.16) 36.78,32.23 36.84,32.29 U4.67
/WATCHDOG_WAKE: length 32.8
  Top w0.2: v1(37.48,31.91) 37.2,31.62 37.2,28.15 v1(33.85,24.8)
  Bottom w0.2: v1(33.85,24.8) 34.07,24.58 34.07,12.82 32.98,11.73 26.19,11.73 25.05,10.59 U3.5 ; v1(37.48,31.91) 37.48,32.35 37.34,32.49 U4.66
Net-(BT1-+): length 41
  In2.Cu w0.5: 66.62,63.88 56.97,54.22 38.12,54.22 34.66,50.77 v1(34.58,50.77)
  Bottom w0.3: 35.02,50.47 34.88,50.47 v1(34.58,50.77) 33.89,50.77 C23.1 ; 35.34,50.38 U4.6
Net-(BT2-+): length 12
  Bottom w0.5: 49.76,63.87 F1.2 51.08,67.82 BT2.1 ; BT2.1 BT2.1
Net-(BT3-+): length 12
  Bottom w0.5: 28.91,68.79 F2.2 31.26,62.84 ; BT3.1 BT3.1
Net-(C33-Pad1): length 3.2
  Bottom w0.2: 10.34,19.01 10.67,18.67 11.56,18.67 ; 11.66,20.5 10.34,19.18
